# EAGLE board working (EAGLE 9.6.2), part 8 of 28
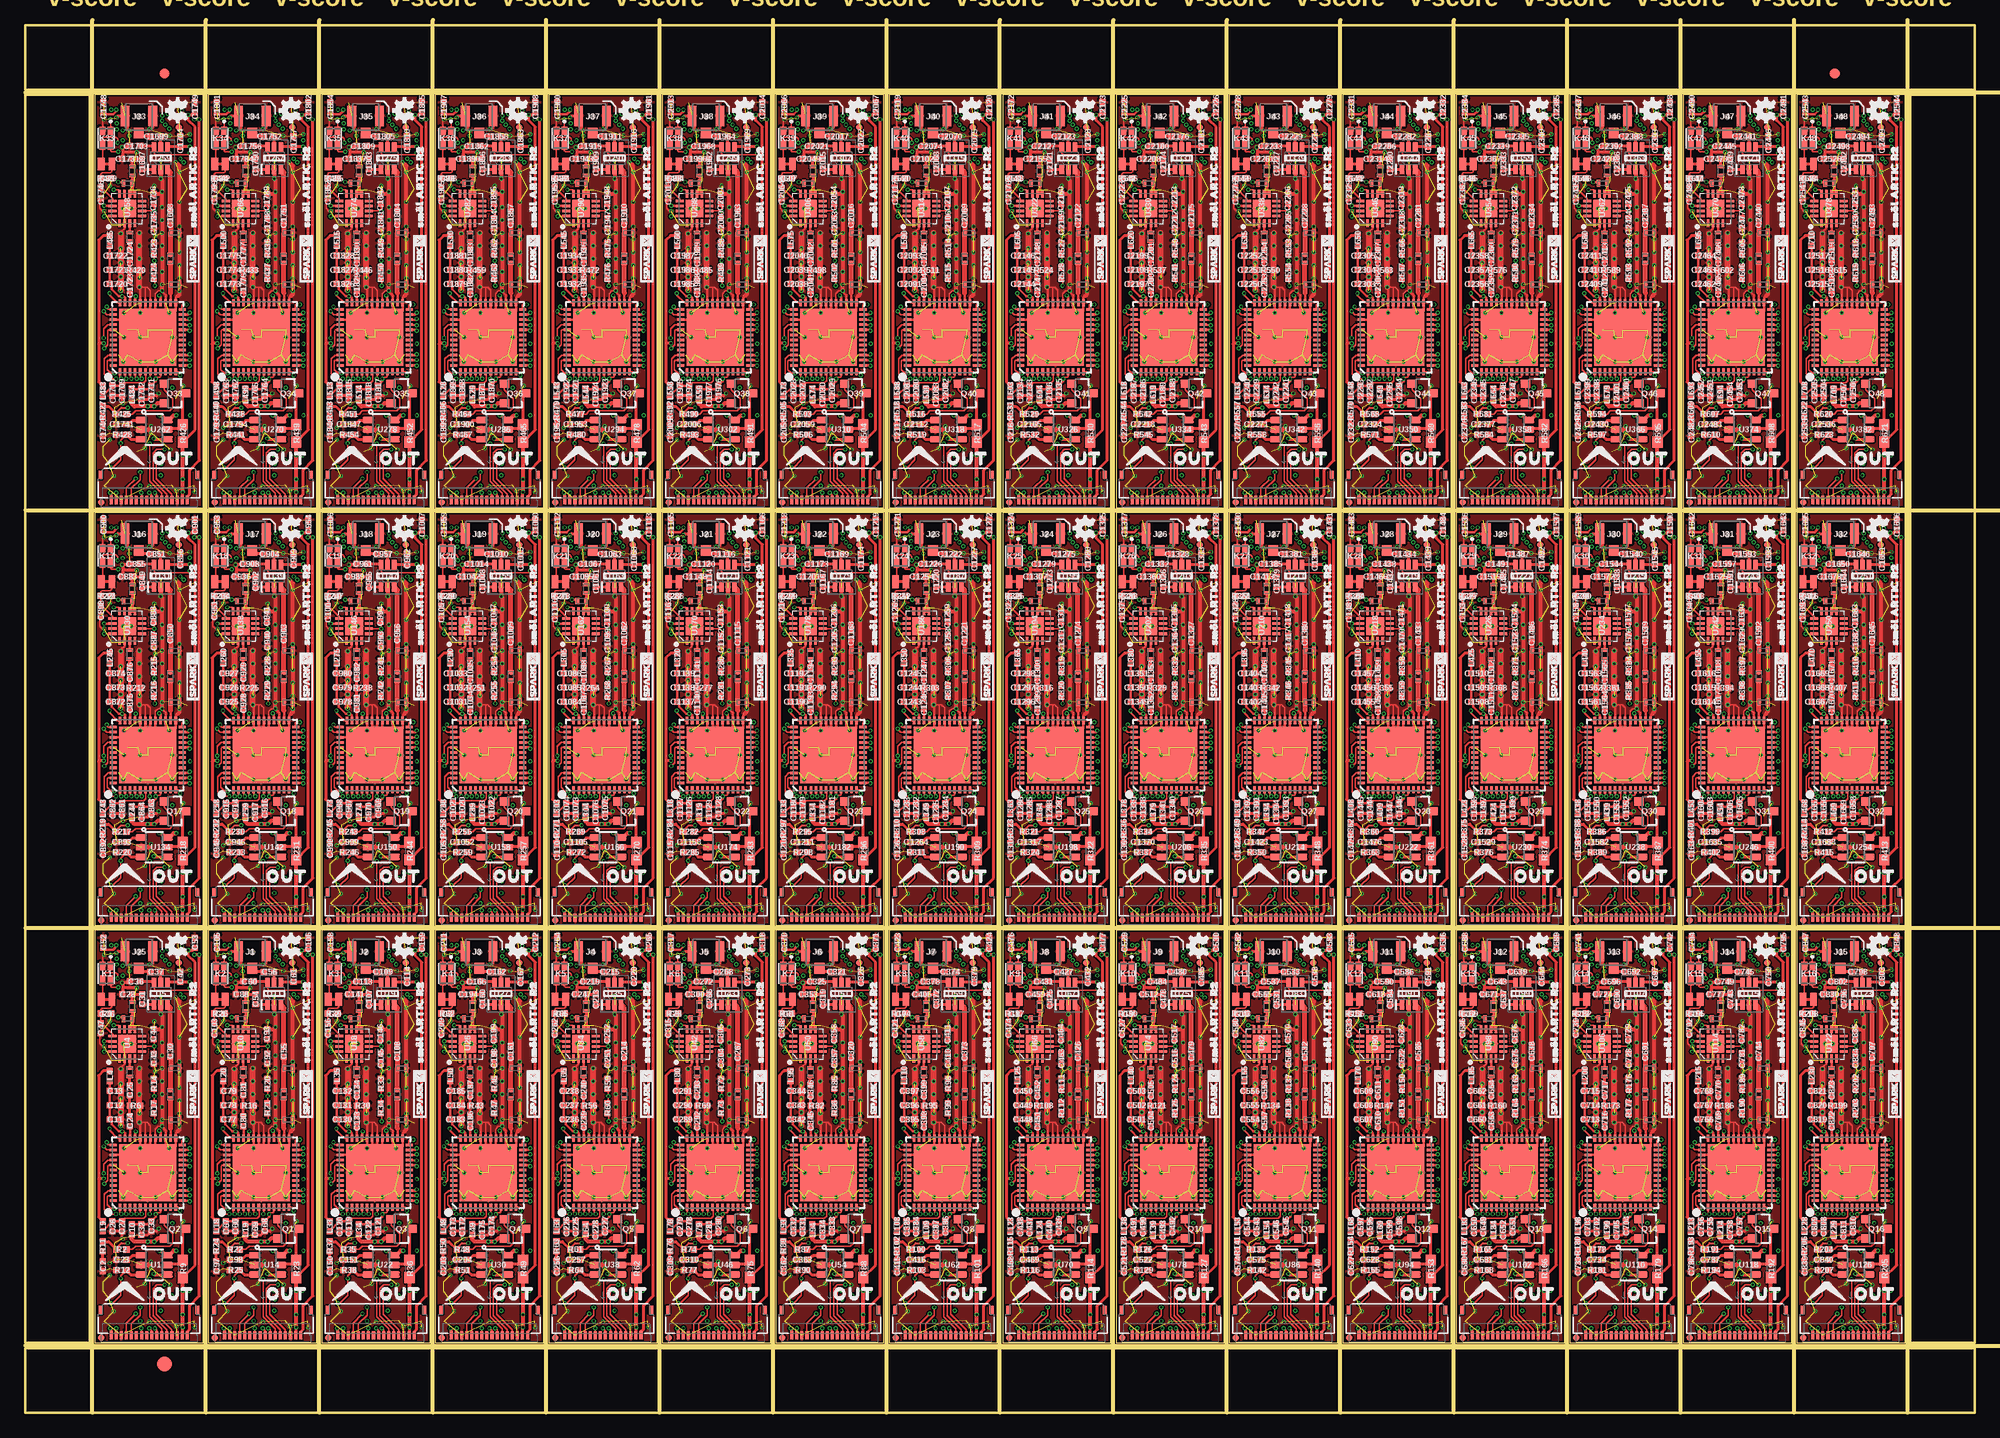
[diagram p0: board, top side]
## Nets (continued)
FLSH_SO34: FLSH_SO34.1 U273.14 U279.2
FLSH_SO35: FLSH_SO35.1 U281.14 U287.2
FLSH_SO36: FLSH_SO36.1 U289.14 U295.2
FLSH_SO37: FLSH_SO37.1 U297.14 U303.2
FLSH_SO38: FLSH_SO38.1 U305.14 U311.2
FLSH_SO39: FLSH_SO39.1 U313.14 U319.2
FLSH_SO40: FLSH_SO40.1 U321.14 U327.2
FLSH_SO41: FLSH_SO41.1 U329.14 U335.2
FLSH_SO42: FLSH_SO42.1 U337.14 U343.2
FLSH_SO43: FLSH_SO43.1 U345.14 U351.2
FLSH_SO44: FLSH_SO44.1 U353.14 U359.2
FLSH_SO45: FLSH_SO45.1 U361.14 U367.2
FLSH_SO46: FLSH_SO46.1 U369.14 U375.2
FLSH_SO47: FLSH_SO47.1 U377.14 U383.2
G1: K2.1 U16.5
G2: K3.1 U24.5
G3: K4.1 U32.5
G4: K5.1 U40.5
G5: K6.1 U48.5
G6: K7.1 U56.5
G7: K8.1 U64.5
G8: K1.1 U8.5
G9: K9.1 U72.5
G10: K10.1 U80.5
G11: K11.1 U88.5
G12: K12.1 U96.5
G13: K13.1 U104.5
G14: K14.1 U112.5
G15: K15.1 U120.5
G16: K16.1 U128.5
G17: K17.1 U136.5
G18: K18.1 U144.5
G19: K19.1 U152.5
G20: K20.1 U160.5
G21: K21.1 U168.5
G22: K22.1 U176.5
G23: K23.1 U184.5
G24: K24.1 U192.5
G25: K25.1 U200.5
G26: K26.1 U208.5
G27: K27.1 U216.5
G28: K28.1 U224.5
G29: K29.1 U232.5
G30: K30.1 U240.5
G31: K31.1 U248.5
G32: K32.1 U256.5
G33: K33.1 U264.5
G34: K34.1 U272.5
G35: K35.1 U280.5
G36: K36.1 U288.5
G37: K37.1 U296.5
G38: K38.1 U304.5
G39: K39.1 U312.5
G40: K40.1 U320.5
G41: K41.1 U328.5
G42: K42.1 U336.5
G43: K43.1 U344.5
G44: K44.1 U352.5
G45: K45.1 U360.5
G46: K46.1 U368.5
G47: K47.1 U376.5
G48: K48.1 U384.5
GND: C1.2 C2.2 C3.2 C4.2 C5.2 C6.2 C7.2 C8.2 C9.2 C10.2 C11.2 C12.2 C13.2 C14.2 C15.2 C16.2 C18.2 C19.2 C20.1 C21.1 C22.1 C23.2 C26.2 C27.2 C28.1 C32.2 C33.2 C34.2 C35.2 C36.2 C38.2 C39.2 C40.2 C41.2 C42.2 C43.1 C44.2 C45.2 C46.2 C47.1 C48.2 C49.2 C50.2 C51.2 C52.2 C53.2 IN.3 IN.14 J25.1 J25.2 K1.2 L11.P$1 L12.P$1 OUT.3 OUT.14 R1.2 R4.2 R6.1 R7.2 R12.2 R14.1 U1.2 U2.2 U3.25 U3.27 U3.29 U3.30 U3.31 U3.32 U3.39 U3.GND U4.2 U4.EDAP U5.2 U6.2 U7.4 U8.4 X1.1 X1.2
GND1: C57.2 C58.2 C59.2 C60.2 C61.2 C62.2 C63.2 C64.2 C65.2 C66.2 C67.2 C68.2 C69.2 C70.2 C71.2 C72.2 C73.2 C74.2 C75.2 C77.2 C78.2 C79.2 C82.1 C83.1 C84.1 C85.2 C86.2 C88.1 C89.2 C90.2 C91.2 C92.1 C93.2 C94.2 C95.2 C96.2 C97.2 C98.2 C99.2 C100.2 C101.2 C102.2 C103.1 C104.2 C105.2 C106.2 IN1.3 IN1.14 J1.1 J1.2 K2.2 L27.P$1 L28.P$1 OUT1.3 OUT1.14 R15.2 R16.1 R18.2 R20.1 R25.2 R26.2 U9.25 U9.27 U9.29 U9.30 U9.31 U9.32 U9.39 U9.GND U10.2 U10.EDAP U11.2 U12.2 U13.2 U14.2 U15.4 U16.4 X2.1 X2.2
GND2: C110.2 C111.2 C112.2 C113.2 C114.2 C115.2 C116.2 C117.2 C118.2 C119.2 C120.2 C121.2 C122.2 C123.2 C124.2 C125.2 C126.2 C127.2 C128.2 C130.2 C131.2 C132.2 C135.1 C136.1 C137.1 C138.2 C139.2 C141.1 C142.2 C143.2 C144.2 C145.1 C146.2 C147.2 C148.2 C149.2 C150.2 C151.2 C152.2 C153.2 C154.2 C155.2 C156.1 C157.2 C158.2 C159.2 IN2.3 IN2.14 J2.1 J2.2 K3.2 L42.P$1 L43.P$1 OUT2.3 OUT2.14 R29.2 R30.1 R31.2 R33.1 R38.2 R39.2 U17.25 U17.27 U17.29 U17.30 U17.31 U17.32 U17.39 U17.GND U18.2 U18.EDAP U19.2 U20.2 U21.2 U22.2 U23.4 U24.4 X3.1 X3.2
GND3: C163.2 C164.2 C165.2 C166.2 C167.2 C168.2 C169.2 C170.2 C171.2 C172.2 C173.2 C174.2 C175.2 C176.2 C177.2 C178.2 C179.2 C180.2 C181.2 C183.2 C184.2 C185.2 C188.1 C189.1 C190.1 C191.2 C192.2 C194.1 C195.2 C196.2 C197.2 C198.1 C199.2 C200.2 C201.2 C202.2 C203.2 C204.2 C205.2 C206.2 C207.2 C208.2 C209.1 C210.2 C211.2 C212.2 IN3.3 IN3.14 J3.1 J3.2 K4.2 L57.P$1 L58.P$1 OUT3.3 OUT3.14 R42.2 R43.1 R44.2 R46.1 R51.2 R52.2 U25.25 U25.27 U25.29 U25.30 U25.31 U25.32 U25.39 U25.GND U26.2 U26.EDAP U27.2 U28.2 U29.2 U30.2 U31.4 U32.4 X4.1 X4.2
GND4: C216.2 C217.2 C218.2 C219.2 C220.2 C221.2 C222.2 C223.2 C224.2 C225.2 C226.2 C227.2 C228.2 C229.2 C230.2 C231.2 C232.2 C233.2 C234.2 C236.2 C237.2 C238.2 C241.1 C242.1 C243.1 C244.2 C245.2 C247.1 C248.2 C249.2 C250.2 C251.1 C252.2 C253.2 C254.2 C255.2 C256.2 C257.2 C258.2 C259.2 C260.2 C261.2 C262.1 C263.2 C264.2 C265.2 IN4.3 IN4.14 J4.1 J4.2 K5.2 L72.P$1 L73.P$1 OUT4.3 OUT4.14 R55.2 R56.1 R57.2 R59.1 R64.2 R65.2 U33.25 U33.27 U33.29 U33.30 U33.31 U33.32 U33.39 U33.GND U34.2 U34.EDAP U35.2 U36.2 U37.2 U38.2 U39.4 U40.4 X5.1 X5.2
GND5: C269.2 C270.2 C271.2 C272.2 C273.2 C274.2 C275.2 C276.2 C277.2 C278.2 C279.2 C280.2 C281.2 C282.2 C283.2 C284.2 C285.2 C286.2 C287.2 C289.2 C290.2 C291.2 C294.1 C295.1 C296.1 C297.2 C298.2 C300.1 C301.2 C302.2 C303.2 C304.1 C305.2 C306.2 C307.2 C308.2 C309.2 C310.2 C311.2 C312.2 C313.2 C314.2 C315.1 C316.2 C317.2 C318.2 IN5.3 IN5.14 J5.1 J5.2 K6.2 L87.P$1 L88.P$1 OUT5.3 OUT5.14 R68.2 R69.1 R70.2 R72.1 R77.2 R78.2 U41.25 U41.27 U41.29 U41.30 U41.31 U41.32 U41.39 U41.GND U42.2 U42.EDAP U43.2 U44.2 U45.2 U46.2 U47.4 U48.4 X6.1 X6.2
GND6: C322.2 C323.2 C324.2 C325.2 C326.2 C327.2 C328.2 C329.2 C330.2 C331.2 C332.2 C333.2 C334.2 C335.2 C336.2 C337.2 C338.2 C339.2 C340.2 C342.2 C343.2 C344.2 C347.1 C348.1 C349.1 C350.2 C351.2 C353.1 C354.2 C355.2 C356.2 C357.1 C358.2 C359.2 C360.2 C361.2 C362.2 C363.2 C364.2 C365.2 C366.2 C367.2 C368.1 C369.2 C370.2 C371.2 IN6.3 IN6.14 J6.1 J6.2 K7.2 L102.P$1 L103.P$1 OUT6.3 OUT6.14 R81.2 R82.1 R83.2 R85.1 R90.2 R91.2 U49.25 U49.27 U49.29 U49.30 U49.31 U49.32 U49.39 U49.GND U50.2 U50.EDAP U51.2 U52.2 U53.2 U54.2 U55.4 U56.4 X7.1 X7.2
GND7: C375.2 C376.2 C377.2 C378.2 C379.2 C380.2 C381.2 C382.2 C383.2 C384.2 C385.2 C386.2 C387.2 C388.2 C389.2 C390.2 C391.2 C392.2 C393.2 C395.2 C396.2 C397.2 C400.1 C401.1 C402.1 C403.2 C404.2 C406.1 C407.2 C408.2 C409.2 C410.1 C411.2 C412.2 C413.2 C414.2 C415.2 C416.2 C417.2 C418.2 C419.2 C420.2 C421.1 C422.2 C423.2 C424.2 IN7.3 IN7.14 J7.1 J7.2 K8.2 L117.P$1 L118.P$1 OUT7.3 OUT7.14 R94.2 R95.1 R96.2 R98.1 R103.2 R104.2 U57.25 U57.27 U57.29 U57.30 U57.31 U57.32 U57.39 U57.GND U58.2 U58.EDAP U59.2 U60.2 U61.2 U62.2 U63.4 U64.4 X8.1 X8.2
GND8: C428.2 C429.2 C430.2 C431.2 C432.2 C433.2 C434.2 C435.2 C436.2 C437.2 C438.2 C439.2 C440.2 C441.2 C442.2 C443.2 C444.2 C445.2 C446.2 C448.2 C449.2 C450.2 C453.1 C454.1 C455.1 C456.2 C457.2 C459.1 C460.2 C461.2 C462.2 C463.1 C464.2 C465.2 C466.2 C467.2 C468.2 C469.2 C470.2 C471.2 C472.2 C473.2 C474.1 C475.2 C476.2 C477.2 IN8.3 IN8.14 J8.1 J8.2 K9.2 L132.P$1 L133.P$1 OUT8.3 OUT8.14 R107.2 R108.1 R109.2 R111.1 R116.2 R117.2 U65.25 U65.27 U65.29 U65.30 U65.31 U65.32 U65.39 U65.GND U66.2 U66.EDAP U67.2 U68.2 U69.2 U70.2 U71.4 U72.4 X9.1 X9.2
GND9: C481.2 C482.2 C483.2 C484.2 C485.2 C486.2 C487.2 C488.2 C489.2 C490.2 C491.2 C492.2 C493.2 C494.2 C495.2 C496.2 C497.2 C498.2 C499.2 C501.2 C502.2 C503.2 C506.1 C507.1 C508.1 C509.2 C510.2 C512.1 C513.2 C514.2 C515.2 C516.1 C517.2 C518.2 C519.2 C520.2 C521.2 C522.2 C523.2 C524.2 C525.2 C526.2 C527.1 C528.2 C529.2 C530.2 IN9.3 IN9.14 J9.1 J9.2 K10.2 L147.P$1 L148.P$1 OUT9.3 OUT9.14 R120.2 R121.1 R122.2 R124.1 R129.2 R130.2 U73.25 U73.27 U73.29 U73.30 U73.31 U73.32 U73.39 U73.GND U74.2 U74.EDAP U75.2 U76.2 U77.2 U78.2 U79.4 U80.4 X10.1 X10.2
GND10: C534.2 C535.2 C536.2 C537.2 C538.2 C539.2 C540.2 C541.2 C542.2 C543.2 C544.2 C545.2 C546.2 C547.2 C548.2 C549.2 C550.2 C551.2 C552.2 C554.2 C555.2 C556.2 C559.1 C560.1 C561.1 C562.2 C563.2 C565.1 C566.2 C567.2 C568.2 C569.1 C570.2 C571.2 C572.2 C573.2 C574.2 C575.2 C576.2 C577.2 C578.2 C579.2 C580.1 C581.2 C582.2 C583.2 IN10.3 IN10.14 J10.1 J10.2 K11.2 L162.P$1 L163.P$1 OUT10.3 OUT10.14 R133.2 R134.1 R135.2 R137.1 R142.2 R143.2 U81.25 U81.27 U81.29 U81.30 U81.31 U81.32 U81.39 U81.GND U82.2 U82.EDAP U83.2 U84.2 U85.2 U86.2 U87.4 U88.4 X11.1 X11.2
GND11: C587.2 C588.2 C589.2 C590.2 C591.2 C592.2 C593.2 C594.2 C595.2 C596.2 C597.2 C598.2 C599.2 C600.2 C601.2 C602.2 C603.2 C604.2 C605.2 C607.2 C608.2 C609.2 C612.1 C613.1 C614.1 C615.2 C616.2 C618.1 C619.2 C620.2 C621.2 C622.1 C623.2 C624.2 C625.2 C626.2 C627.2 C628.2 C629.2 C630.2 C631.2 C632.2 C633.1 C634.2 C635.2 C636.2 IN11.3 IN11.14 J11.1 J11.2 K12.2 L177.P$1 L178.P$1 OUT11.3 OUT11.14 R146.2 R147.1 R148.2 R150.1 R155.2 R156.2 U89.25 U89.27 U89.29 U89.30 U89.31 U89.32 U89.39 U89.GND U90.2 U90.EDAP U91.2 U92.2 U93.2 U94.2 U95.4 U96.4 X12.1 X12.2
GND12: C640.2 C641.2 C642.2 C643.2 C644.2 C645.2 C646.2 C647.2 C648.2 C649.2 C650.2 C651.2 C652.2 C653.2 C654.2 C655.2 C656.2 C657.2 C658.2 C660.2 C661.2 C662.2 C665.1 C666.1 C667.1 C668.2 C669.2 C671.1 C672.2 C673.2 C674.2 C675.1 C676.2 C677.2 C678.2 C679.2 C680.2 C681.2 C682.2 C683.2 C684.2 C685.2 C686.1 C687.2 C688.2 C689.2 IN12.3 IN12.14 J12.1 J12.2 K13.2 L192.P$1 L193.P$1 OUT12.3 OUT12.14 R159.2 R160.1 R161.2 R163.1 R168.2 R169.2 U97.25 U97.27 U97.29 U97.30 U97.31 U97.32 U97.39 U97.GND U98.2 U98.EDAP U99.2 U100.2 U101.2 U102.2 U103.4 U104.4 X13.1 X13.2
GND13: C693.2 C694.2 C695.2 C696.2 C697.2 C698.2 C699.2 C700.2 C701.2 C702.2 C703.2 C704.2 C705.2 C706.2 C707.2 C708.2 C709.2 C710.2 C711.2 C713.2 C714.2 C715.2 C718.1 C719.1 C720.1 C721.2 C722.2 C724.1 C725.2 C726.2 C727.2 C728.1 C729.2 C730.2 C731.2 C732.2 C733.2 C734.2 C735.2 C736.2 C737.2 C738.2 C739.1 C740.2 C741.2 C742.2 IN13.3 IN13.14 J13.1 J13.2 K14.2 L207.P$1 L208.P$1 OUT13.3 OUT13.14 R172.2 R173.1 R174.2 R176.1 R181.2 R182.2 U105.25 U105.27 U105.29 U105.30 U105.31 U105.32 U105.39 U105.GND U106.2 U106.EDAP U107.2 U108.2 U109.2 U110.2 U111.4 U112.4 X14.1 X14.2
GND14: C746.2 C747.2 C748.2 C749.2 C750.2 C751.2 C752.2 C753.2 C754.2 C755.2 C756.2 C757.2 C758.2 C759.2 C760.2 C761.2 C762.2 C763.2 C764.2 C766.2 C767.2 C768.2 C771.1 C772.1 C773.1 C774.2 C775.2 C777.1 C778.2 C779.2 C780.2 C781.1 C782.2 C783.2 C784.2 C785.2 C786.2 C787.2 C788.2 C789.2 C790.2 C791.2 C792.1 C793.2 C794.2 C795.2 IN14.3 IN14.14 J14.1 J14.2 K15.2 L222.P$1 L223.P$1 OUT14.3 OUT14.14 R185.2 R186.1 R187.2 R189.1 R194.2 R195.2 U113.25 U113.27 U113.29 U113.30 U113.31 U113.32 U113.39 U113.GND U114.2 U114.EDAP U115.2 U116.2 U117.2 U118.2 U119.4 U120.4 X15.1 X15.2
GND15: C799.2 C800.2 C801.2 C802.2 C803.2 C804.2 C805.2 C806.2 C807.2 C808.2 C809.2 C810.2 C811.2 C812.2 C813.2 C814.2 C815.2 C816.2 C817.2 C819.2 C820.2 C821.2 C824.1 C825.1 C826.1 C827.2 C828.2 C830.1 C831.2 C832.2 C833.2 C834.1 C835.2 C836.2 C837.2 C838.2 C839.2 C840.2 C841.2 C842.2 C843.2 C844.2 C845.1 C846.2 C847.2 C848.2 IN15.3 IN15.14 J15.1 J15.2 K16.2 L237.P$1 L238.P$1 OUT15.3 OUT15.14 R198.2 R199.1 R200.2 R202.1 R207.2 R208.2 U121.25 U121.27 U121.29 U121.30 U121.31 U121.32 U121.39 U121.GND U122.2 U122.EDAP U123.2 U124.2 U125.2 U126.2 U127.4 U128.4 X16.1 X16.2
GND16: C852.2 C853.2 C854.2 C855.2 C856.2 C857.2 C858.2 C859.2 C860.2 C861.2 C862.2 C863.2 C864.2 C865.2 C866.2 C867.2 C868.2 C869.2 C870.2 C872.2 C873.2 C874.2 C877.1 C878.1 C879.1 C880.2 C881.2 C883.1 C884.2 C885.2 C886.2 C887.1 C888.2 C889.2 C890.2 C891.2 C892.2 C893.2 C894.2 C895.2 C896.2 C897.2 C898.1 C899.2 C900.2 C901.2 IN16.3 IN16.14 J16.1 J16.2 K17.2 L252.P$1 L253.P$1 OUT16.3 OUT16.14 R211.2 R212.1 R213.2 R215.1 R220.2 R221.2 U129.25 U129.27 U129.29 U129.30 U129.31 U129.32 U129.39 U129.GND U130.2 U130.EDAP U131.2 U132.2 U133.2 U134.2 U135.4 U136.4 X17.1 X17.2
GND17: C905.2 C906.2 C907.2 C908.2 C909.2 C910.2 C911.2 C912.2 C913.2 C914.2 C915.2 C916.2 C917.2 C918.2 C919.2 C920.2 C921.2 C922.2 C923.2 C925.2 C926.2 C927.2 C930.1 C931.1 C932.1 C933.2 C934.2 C936.1 C937.2 C938.2 C939.2 C940.1 C941.2 C942.2 C943.2 C944.2 C945.2 C946.2 C947.2 C948.2 C949.2 C950.2 C951.1 C952.2 C953.2 C954.2 IN17.3 IN17.14 J17.1 J17.2 K18.2 L267.P$1 L268.P$1 OUT17.3 OUT17.14 R224.2 R225.1 R226.2 R228.1 R233.2 R234.2 U137.25 U137.27 U137.29 U137.30 U137.31 U137.32 U137.39 U137.GND U138.2 U138.EDAP U139.2 U140.2 U141.2 U142.2 U143.4 U144.4 X18.1 X18.2
GND18: C958.2 C959.2 C960.2 C961.2 C962.2 C963.2 C964.2 C965.2 C966.2 C967.2 C968.2 C969.2 C970.2 C971.2 C972.2 C973.2 C974.2 C975.2 C976.2 C978.2 C979.2 C980.2 C983.1 C984.1 C985.1 C986.2 C987.2 C989.1 C990.2 C991.2 C992.2 C993.1 C994.2 C995.2 C996.2 C997.2 C998.2 C999.2 C1000.2 C1001.2 C1002.2 C1003.2 C1004.1 C1005.2 C1006.2 C1007.2 IN18.3 IN18.14 J18.1 J18.2 K19.2 L282.P$1 L283.P$1 OUT18.3 OUT18.14 R237.2 R238.1 R239.2 R241.1 R246.2 R247.2 U145.25 U145.27 U145.29 U145.30 U145.31 U145.32 U145.39 U145.GND U146.2 U146.EDAP U147.2 U148.2 U149.2 U150.2 U151.4 U152.4 X19.1 X19.2
GND19: C1011.2 C1012.2 C1013.2 C1014.2 C1015.2 C1016.2 C1017.2 C1018.2 C1019.2 C1020.2 C1021.2 C1022.2 C1023.2 C1024.2 C1025.2 C1026.2 C1027.2 C1028.2 C1029.2 C1031.2 C1032.2 C1033.2 C1036.1 C1037.1 C1038.1 C1039.2 C1040.2 C1042.1 C1043.2 C1044.2 C1045.2 C1046.1 C1047.2 C1048.2 C1049.2 C1050.2 C1051.2 C1052.2 C1053.2 C1054.2 C1055.2 C1056.2 C1057.1 C1058.2 C1059.2 C1060.2 IN19.3 IN19.14 J19.1 J19.2 K20.2 L297.P$1 L298.P$1 OUT19.3 OUT19.14 R250.2 R251.1 R252.2 R254.1 R259.2 R260.2 U153.25 U153.27 U153.29 U153.30 U153.31 U153.32 U153.39 U153.GND U154.2 U154.EDAP U155.2 U156.2 U157.2 U158.2 U159.4 U160.4 X20.1 X20.2
GND20: C1064.2 C1065.2 C1066.2 C1067.2 C1068.2 C1069.2 C1070.2 C1071.2 C1072.2 C1073.2 C1074.2 C1075.2 C1076.2 C1077.2 C1078.2 C1079.2 C1080.2 C1081.2 C1082.2 C1084.2 C1085.2 C1086.2 C1089.1 C1090.1 C1091.1 C1092.2 C1093.2 C1095.1 C1096.2 C1097.2 C1098.2 C1099.1 C1100.2 C1101.2 C1102.2 C1103.2 C1104.2 C1105.2 C1106.2 C1107.2 C1108.2 C1109.2 C1110.1 C1111.2 C1112.2 C1113.2 IN20.3 IN20.14 J20.1 J20.2 K21.2 L312.P$1 L313.P$1 OUT20.3 OUT20.14 R263.2 R264.1 R265.2 R267.1 R272.2 R273.2 U161.25 U161.27 U161.29 U161.30 U161.31 U161.32 U161.39 U161.GND U162.2 U162.EDAP U163.2 U164.2 U165.2 U166.2 U167.4 U168.4 X21.1 X21.2
GND21: C1117.2 C1118.2 C1119.2 C1120.2 C1121.2 C1122.2 C1123.2 C1124.2 C1125.2 C1126.2 C1127.2 C1128.2 C1129.2 C1130.2 C1131.2 C1132.2 C1133.2 C1134.2 C1135.2 C1137.2 C1138.2 C1139.2 C1142.1 C1143.1 C1144.1 C1145.2 C1146.2 C1148.1 C1149.2 C1150.2 C1151.2 C1152.1 C1153.2 C1154.2 C1155.2 C1156.2 C1157.2 C1158.2 C1159.2 C1160.2 C1161.2 C1162.2 C1163.1 C1164.2 C1165.2 C1166.2 IN21.3 IN21.14 J21.1 J21.2 K22.2 L327.P$1 L328.P$1 OUT21.3 OUT21.14 R276.2 R277.1 R278.2 R280.1 R285.2 R286.2 U169.25 U169.27 U169.29 U169.30 U169.31 U169.32 U169.39 U169.GND U170.2 U170.EDAP U171.2 U172.2 U173.2 U174.2 U175.4 U176.4 X22.1 X22.2
GND22: C1170.2 C1171.2 C1172.2 C1173.2 C1174.2 C1175.2 C1176.2 C1177.2 C1178.2 C1179.2 C1180.2 C1181.2 C1182.2 C1183.2 C1184.2 C1185.2 C1186.2 C1187.2 C1188.2 C1190.2 C1191.2 C1192.2 C1195.1 C1196.1 C1197.1 C1198.2 C1199.2 C1201.1 C1202.2 C1203.2 C1204.2 C1205.1 C1206.2 C1207.2 C1208.2 C1209.2 C1210.2 C1211.2 C1212.2 C1213.2 C1214.2 C1215.2 C1216.1 C1217.2 C1218.2 C1219.2 IN22.3 IN22.14 J22.1 J22.2 K23.2 L342.P$1 L343.P$1 OUT22.3 OUT22.14 R289.2 R290.1 R291.2 R293.1 R298.2 R299.2 U177.25 U177.27 U177.29 U177.30 U177.31 U177.32 U177.39 U177.GND U178.2 U178.EDAP U179.2 U180.2 U181.2 U182.2 U183.4 U184.4 X23.1 X23.2
GND23: C1223.2 C1224.2 C1225.2 C1226.2 C1227.2 C1228.2 C1229.2 C1230.2 C1231.2 C1232.2 C1233.2 C1234.2 C1235.2 C1236.2 C1237.2 C1238.2 C1239.2 C1240.2 C1241.2 C1243.2 C1244.2 C1245.2 C1248.1 C1249.1 C1250.1 C1251.2 C1252.2 C1254.1 C1255.2 C1256.2 C1257.2 C1258.1 C1259.2 C1260.2 C1261.2 C1262.2 C1263.2 C1264.2 C1265.2 C1266.2 C1267.2 C1268.2 C1269.1 C1270.2 C1271.2 C1272.2 IN23.3 IN23.14 J23.1 J23.2 K24.2 L357.P$1 L358.P$1 OUT23.3 OUT23.14 R302.2 R303.1 R304.2 R306.1 R311.2 R312.2 U185.25 U185.27 U185.29 U185.30 U185.31 U185.32 U185.39 U185.GND U186.2 U186.EDAP U187.2 U188.2 U189.2 U190.2 U191.4 U192.4 X24.1 X24.2
GND24: C1276.2 C1277.2 C1278.2 C1279.2 C1280.2 C1281.2 C1282.2 C1283.2 C1284.2 C1285.2 C1286.2 C1287.2 C1288.2 C1289.2 C1290.2 C1291.2 C1292.2 C1293.2 C1294.2 C1296.2 C1297.2 C1298.2 C1301.1 C1302.1 C1303.1 C1304.2 C1305.2 C1307.1 C1308.2 C1309.2 C1310.2 C1311.1 C1312.2 C1313.2 C1314.2 C1315.2 C1316.2 C1317.2 C1318.2 C1319.2 C1320.2 C1321.2 C1322.1 C1323.2 C1324.2 C1325.2 IN24.3 IN24.14 J24.1 J24.2 K25.2 L372.P$1 L373.P$1 OUT24.3 OUT24.14 R315.2 R316.1 R317.2 R319.1 R324.2 R325.2 U193.25 U193.27 U193.29 U193.30 U193.31 U193.32 U193.39 U193.GND U194.2 U194.EDAP U195.2 U196.2 U197.2 U198.2 U199.4 U200.4 X25.1 X25.2
GND25: C1329.2 C1330.2 C1331.2 C1332.2 C1333.2 C1334.2 C1335.2 C1336.2 C1337.2 C1338.2 C1339.2 C1340.2 C1341.2 C1342.2 C1343.2 C1344.2 C1345.2 C1346.2 C1347.2 C1349.2 C1350.2 C1351.2 C1354.1 C1355.1 C1356.1 C1357.2 C1358.2 C1360.1 C1361.2 C1362.2 C1363.2 C1364.1 C1365.2 C1366.2 C1367.2 C1368.2 C1369.2 C1370.2 C1371.2 C1372.2 C1373.2 C1374.2 C1375.1 C1376.2 C1377.2 C1378.2 IN25.3 IN25.14 J26.1 J26.2 K26.2 L387.P$1 L388.P$1 OUT25.3 OUT25.14 R328.2 R329.1 R330.2 R332.1 R337.2 R338.2 U201.25 U201.27 U201.29 U201.30 U201.31 U201.32 U201.39 U201.GND U202.2 U202.EDAP U203.2 U204.2 U205.2 U206.2 U207.4 U208.4 X26.1 X26.2
GND26: C1382.2 C1383.2 C1384.2 C1385.2 C1386.2 C1387.2 C1388.2 C1389.2 C1390.2 C1391.2 C1392.2 C1393.2 C1394.2 C1395.2 C1396.2 C1397.2 C1398.2 C1399.2 C1400.2 C1402.2 C1403.2 C1404.2 C1407.1 C1408.1 C1409.1 C1410.2 C1411.2 C1413.1 C1414.2 C1415.2 C1416.2 C1417.1 C1418.2 C1419.2 C1420.2 C1421.2 C1422.2 C1423.2 C1424.2 C1425.2 C1426.2 C1427.2 C1428.1 C1429.2 C1430.2 C1431.2 IN26.3 IN26.14 J27.1 J27.2 K27.2 L402.P$1 L403.P$1 OUT26.3 OUT26.14 R341.2 R342.1 R343.2 R345.1 R350.2 R351.2 U209.25 U209.27 U209.29 U209.30 U209.31 U209.32 U209.39 U209.GND U210.2 U210.EDAP U211.2 U212.2 U213.2 U214.2 U215.4 U216.4 X27.1 X27.2
GND27: C1435.2 C1436.2 C1437.2 C1438.2 C1439.2 C1440.2 C1441.2 C1442.2 C1443.2 C1444.2 C1445.2 C1446.2 C1447.2 C1448.2 C1449.2 C1450.2 C1451.2 C1452.2 C1453.2 C1455.2 C1456.2 C1457.2 C1460.1 C1461.1 C1462.1 C1463.2 C1464.2 C1466.1 C1467.2 C1468.2 C1469.2 C1470.1 C1471.2 C1472.2 C1473.2 C1474.2 C1475.2 C1476.2 C1477.2 C1478.2 C1479.2 C1480.2 C1481.1 C1482.2 C1483.2 C1484.2 IN27.3 IN27.14 J28.1 J28.2 K28.2 L417.P$1 L418.P$1 OUT27.3 OUT27.14 R354.2 R355.1 R356.2 R358.1 R363.2 R364.2 U217.25 U217.27 U217.29 U217.30 U217.31 U217.32 U217.39 U217.GND U218.2 U218.EDAP U219.2 U220.2 U221.2 U222.2 U223.4 U224.4 X28.1 X28.2
GND28: C1488.2 C1489.2 C1490.2 C1491.2 C1492.2 C1493.2 C1494.2 C1495.2 C1496.2 C1497.2 C1498.2 C1499.2 C1500.2 C1501.2 C1502.2 C1503.2 C1504.2 C1505.2 C1506.2 C1508.2 C1509.2 C1510.2 C1513.1 C1514.1 C1515.1 C1516.2 C1517.2 C1519.1 C1520.2 C1521.2 C1522.2 C1523.1 C1524.2 C1525.2 C1526.2 C1527.2 C1528.2 C1529.2 C1530.2 C1531.2 C1532.2 C1533.2 C1534.1 C1535.2 C1536.2 C1537.2 IN28.3 IN28.14 J29.1 J29.2 K29.2 L432.P$1 L433.P$1 OUT28.3 OUT28.14 R367.2 R368.1 R369.2 R371.1 R376.2 R377.2 U225.25 U225.27 U225.29 U225.30 U225.31 U225.32 U225.39 U225.GND U226.2 U226.EDAP U227.2 U228.2 U229.2 U230.2 U231.4 U232.4 X29.1 X29.2
GND29: C1541.2 C1542.2 C1543.2 C1544.2 C1545.2 C1546.2 C1547.2 C1548.2 C1549.2 C1550.2 C1551.2 C1552.2 C1553.2 C1554.2 C1555.2 C1556.2 C1557.2 C1558.2 C1559.2 C1561.2 C1562.2 C1563.2 C1566.1 C1567.1 C1568.1 C1569.2 C1570.2 C1572.1 C1573.2 C1574.2 C1575.2 C1576.1 C1577.2 C1578.2 C1579.2 C1580.2 C1581.2 C1582.2 C1583.2 C1584.2 C1585.2 C1586.2 C1587.1 C1588.2 C1589.2 C1590.2 IN29.3 IN29.14 J30.1 J30.2 K30.2 L447.P$1 L448.P$1 OUT29.3 OUT29.14 R380.2 R381.1 R382.2 R384.1 R389.2 R390.2 U233.25 U233.27 U233.29 U233.30 U233.31 U233.32 U233.39 U233.GND U234.2 U234.EDAP U235.2 U236.2 U237.2 U238.2 U239.4 U240.4 X30.1 X30.2
GND30: C1594.2 C1595.2 C1596.2 C1597.2 C1598.2 C1599.2 C1600.2 C1601.2 C1602.2 C1603.2 C1604.2 C1605.2 C1606.2 C1607.2 C1608.2 C1609.2 C1610.2 C1611.2 C1612.2 C1614.2 C1615.2 C1616.2 C1619.1 C1620.1 C1621.1 C1622.2 C1623.2 C1625.1 C1626.2 C1627.2 C1628.2 C1629.1 C1630.2 C1631.2 C1632.2 C1633.2 C1634.2 C1635.2 C1636.2 C1637.2 C1638.2 C1639.2 C1640.1 C1641.2 C1642.2 C1643.2 IN30.3 IN30.14 J31.1 J31.2 K31.2 L462.P$1 L463.P$1 OUT30.3 OUT30.14 R393.2 R394.1 R395.2 R397.1 R402.2 R403.2 U241.25 U241.27 U241.29 U241.30 U241.31 U241.32 U241.39 U241.GND U242.2 U242.EDAP U243.2 U244.2 U245.2 U246.2 U247.4 U248.4 X31.1 X31.2
GND31: C1647.2 C1648.2 C1649.2 C1650.2 C1651.2 C1652.2 C1653.2 C1654.2 C1655.2 C1656.2 C1657.2 C1658.2 C1659.2 C1660.2 C1661.2 C1662.2 C1663.2 C1664.2 C1665.2 C1667.2 C1668.2 C1669.2 C1672.1 C1673.1 C1674.1 C1675.2 C1676.2 C1678.1 C1679.2 C1680.2 C1681.2 C1682.1 C1683.2 C1684.2 C1685.2 C1686.2 C1687.2 C1688.2 C1689.2 C1690.2 C1691.2 C1692.2 C1693.1 C1694.2 C1695.2 C1696.2 IN31.3 IN31.14 J32.1 J32.2 K32.2 L477.P$1 L478.P$1 OUT31.3 OUT31.14 R406.2 R407.1 R408.2 R410.1 R415.2 R416.2 U249.25 U249.27 U249.29 U249.30 U249.31 U249.32 U249.39 U249.GND U250.2 U250.EDAP U251.2 U252.2 U253.2 U254.2 U255.4 U256.4 X32.1 X32.2
GND32: C1700.2 C1701.2 C1702.2 C1703.2 C1704.2 C1705.2 C1706.2 C1707.2 C1708.2 C1709.2 C1710.2 C1711.2 C1712.2 C1713.2 C1714.2 C1715.2 C1716.2 C1717.2 C1718.2 C1720.2 C1721.2 C1722.2 C1725.1 C1726.1 C1727.1 C1728.2 C1729.2 C1731.1 C1732.2 C1733.2 C1734.2 C1735.1 C1736.2 C1737.2 C1738.2 C1739.2 C1740.2 C1741.2 C1742.2 C1743.2 C1744.2 C1745.2 C1746.1 C1747.2 C1748.2 C1749.2 IN32.3 IN32.14 J33.1 J33.2 K33.2 L492.P$1 L493.P$1 OUT32.3 OUT32.14 R419.2 R420.1 R421.2 R423.1 R428.2 R429.2 U257.25 U257.27 U257.29 U257.30 U257.31 U257.32 U257.39 U257.GND U258.2 U258.EDAP U259.2 U260.2 U261.2 U262.2 U263.4 U264.4 X33.1 X33.2
GND33: C1753.2 C1754.2 C1755.2 C1756.2 C1757.2 C1758.2 C1759.2 C1760.2 C1761.2 C1762.2 C1763.2 C1764.2 C1765.2 C1766.2 C1767.2 C1768.2 C1769.2 C1770.2 C1771.2 C1773.2 C1774.2 C1775.2 C1778.1 C1779.1 C1780.1 C1781.2 C1782.2 C1784.1 C1785.2 C1786.2 C1787.2 C1788.1 C1789.2 C1790.2 C1791.2 C1792.2 C1793.2 C1794.2 C1795.2 C1796.2 C1797.2 C1798.2 C1799.1 C1800.2 C1801.2 C1802.2 IN33.3 IN33.14 J34.1 J34.2 K34.2 L507.P$1 L508.P$1 OUT33.3 OUT33.14 R432.2 R433.1 R434.2 R436.1 R441.2 R442.2 U265.25 U265.27 U265.29 U265.30 U265.31 U265.32 U265.39 U265.GND U266.2 U266.EDAP U267.2 U268.2 U269.2 U270.2 U271.4 U272.4 X34.1 X34.2
GND34: C1806.2 C1807.2 C1808.2 C1809.2 C1810.2 C1811.2 C1812.2 C1813.2 C1814.2 C1815.2 C1816.2 C1817.2 C1818.2 C1819.2 C1820.2 C1821.2 C1822.2 C1823.2 C1824.2 C1826.2 C1827.2 C1828.2 C1831.1 C1832.1 C1833.1 C1834.2 C1835.2 C1837.1 C1838.2 C1839.2 C1840.2 C1841.1 C1842.2 C1843.2 C1844.2 C1845.2 C1846.2 C1847.2 C1848.2 C1849.2 C1850.2 C1851.2 C1852.1 C1853.2 C1854.2 C1855.2 IN34.3 IN34.14 J35.1 J35.2 K35.2 L522.P$1 L523.P$1 OUT34.3 OUT34.14 R445.2 R446.1 R447.2 R449.1 R454.2 R455.2 U273.25 U273.27 U273.29 U273.30 U273.31 U273.32 U273.39 U273.GND U274.2 U274.EDAP U275.2 U276.2 U277.2 U278.2 U279.4 U280.4 X35.1 X35.2
GND35: C1859.2 C1860.2 C1861.2 C1862.2 C1863.2 C1864.2 C1865.2 C1866.2 C1867.2 C1868.2 C1869.2 C1870.2 C1871.2 C1872.2 C1873.2 C1874.2 C1875.2 C1876.2 C1877.2 C1879.2 C1880.2 C1881.2 C1884.1 C1885.1 C1886.1 C1887.2 C1888.2 C1890.1 C1891.2 C1892.2 C1893.2 C1894.1 C1895.2 C1896.2 C1897.2 C1898.2 C1899.2 C1900.2 C1901.2 C1902.2 C1903.2 C1904.2 C1905.1 C1906.2 C1907.2 C1908.2 IN35.3 IN35.14 J36.1 J36.2 K36.2 L537.P$1 L538.P$1 OUT35.3 OUT35.14 R458.2 R459.1 R460.2 R462.1 R467.2 R468.2 U281.25 U281.27 U281.29 U281.30 U281.31 U281.32 U281.39 U281.GND U282.2 U282.EDAP U283.2 U284.2 U285.2 U286.2 U287.4 U288.4 X36.1 X36.2
GND36: C1912.2 C1913.2 C1914.2 C1915.2 C1916.2 C1917.2 C1918.2 C1919.2 C1920.2 C1921.2 C1922.2 C1923.2 C1924.2 C1925.2 C1926.2 C1927.2 C1928.2 C1929.2 C1930.2 C1932.2 C1933.2 C1934.2 C1937.1 C1938.1 C1939.1 C1940.2 C1941.2 C1943.1 C1944.2 C1945.2 C1946.2 C1947.1 C1948.2 C1949.2 C1950.2 C1951.2 C1952.2 C1953.2 C1954.2 C1955.2 C1956.2 C1957.2 C1958.1 C1959.2 C1960.2 C1961.2 IN36.3 IN36.14 J37.1 J37.2 K37.2 L552.P$1 L553.P$1 OUT36.3 OUT36.14 R471.2 R472.1 R473.2 R475.1 R480.2 R481.2 U289.25 U289.27 U289.29 U289.30 U289.31 U289.32 U289.39 U289.GND U290.2 U290.EDAP U291.2 U292.2 U293.2 U294.2 U295.4 U296.4 X37.1 X37.2
GND37: C1965.2 C1966.2 C1967.2 C1968.2 C1969.2 C1970.2 C1971.2 C1972.2 C1973.2 C1974.2 C1975.2 C1976.2 C1977.2 C1978.2 C1979.2 C1980.2 C1981.2 C1982.2 C1983.2 C1985.2 C1986.2 C1987.2 C1990.1 C1991.1 C1992.1 C1993.2 C1994.2 C1996.1 C1997.2 C1998.2 C1999.2 C2000.1 C2001.2 C2002.2 C2003.2 C2004.2 C2005.2 C2006.2 C2007.2 C2008.2 C2009.2 C2010.2 C2011.1 C2012.2 C2013.2 C2014.2 IN37.3 IN37.14 J38.1 J38.2 K38.2 L567.P$1 L568.P$1 OUT37.3 OUT37.14 R484.2 R485.1 R486.2 R488.1 R493.2 R494.2 U297.25 U297.27 U297.29 U297.30 U297.31 U297.32 U297.39 U297.GND U298.2 U298.EDAP U299.2 U300.2 U301.2 U302.2 U303.4 U304.4 X38.1 X38.2
GND38: C2018.2 C2019.2 C2020.2 C2021.2 C2022.2 C2023.2 C2024.2 C2025.2 C2026.2 C2027.2 C2028.2 C2029.2 C2030.2 C2031.2 C2032.2 C2033.2 C2034.2 C2035.2 C2036.2 C2038.2 C2039.2 C2040.2 C2043.1 C2044.1 C2045.1 C2046.2 C2047.2 C2049.1 C2050.2 C2051.2 C2052.2 C2053.1 C2054.2 C2055.2 C2056.2 C2057.2 C2058.2 C2059.2 C2060.2 C2061.2 C2062.2 C2063.2 C2064.1 C2065.2 C2066.2 C2067.2 IN38.3 IN38.14 J39.1 J39.2 K39.2 L582.P$1 L583.P$1 OUT38.3 OUT38.14 R497.2 R498.1 R499.2 R501.1 R506.2 R507.2 U305.25 U305.27 U305.29 U305.30 U305.31 U305.32 U305.39 U305.GND U306.2 U306.EDAP U307.2 U308.2 U309.2 U310.2 U311.4 U312.4 X39.1 X39.2
GND39: C2071.2 C2072.2 C2073.2 C2074.2 C2075.2 C2076.2 C2077.2 C2078.2 C2079.2 C2080.2 C2081.2 C2082.2 C2083.2 C2084.2 C2085.2 C2086.2 C2087.2 C2088.2 C2089.2 C2091.2 C2092.2 C2093.2 C2096.1 C2097.1 C2098.1 C2099.2 C2100.2 C2102.1 C2103.2 C2104.2 C2105.2 C2106.1 C2107.2 C2108.2 C2109.2 C2110.2 C2111.2 C2112.2 C2113.2 C2114.2 C2115.2 C2116.2 C2117.1 C2118.2 C2119.2 C2120.2 IN39.3 IN39.14 J40.1 J40.2 K40.2 L597.P$1 L598.P$1 OUT39.3 OUT39.14 R510.2 R511.1 R512.2 R514.1 R519.2 R520.2 U313.25 U313.27 U313.29 U313.30 U313.31 U313.32 U313.39 U313.GND U314.2 U314.EDAP U315.2 U316.2 U317.2 U318.2 U319.4 U320.4 X40.1 X40.2